# Altium PCB OpenMV4_BASE.pcbdoc (continued)
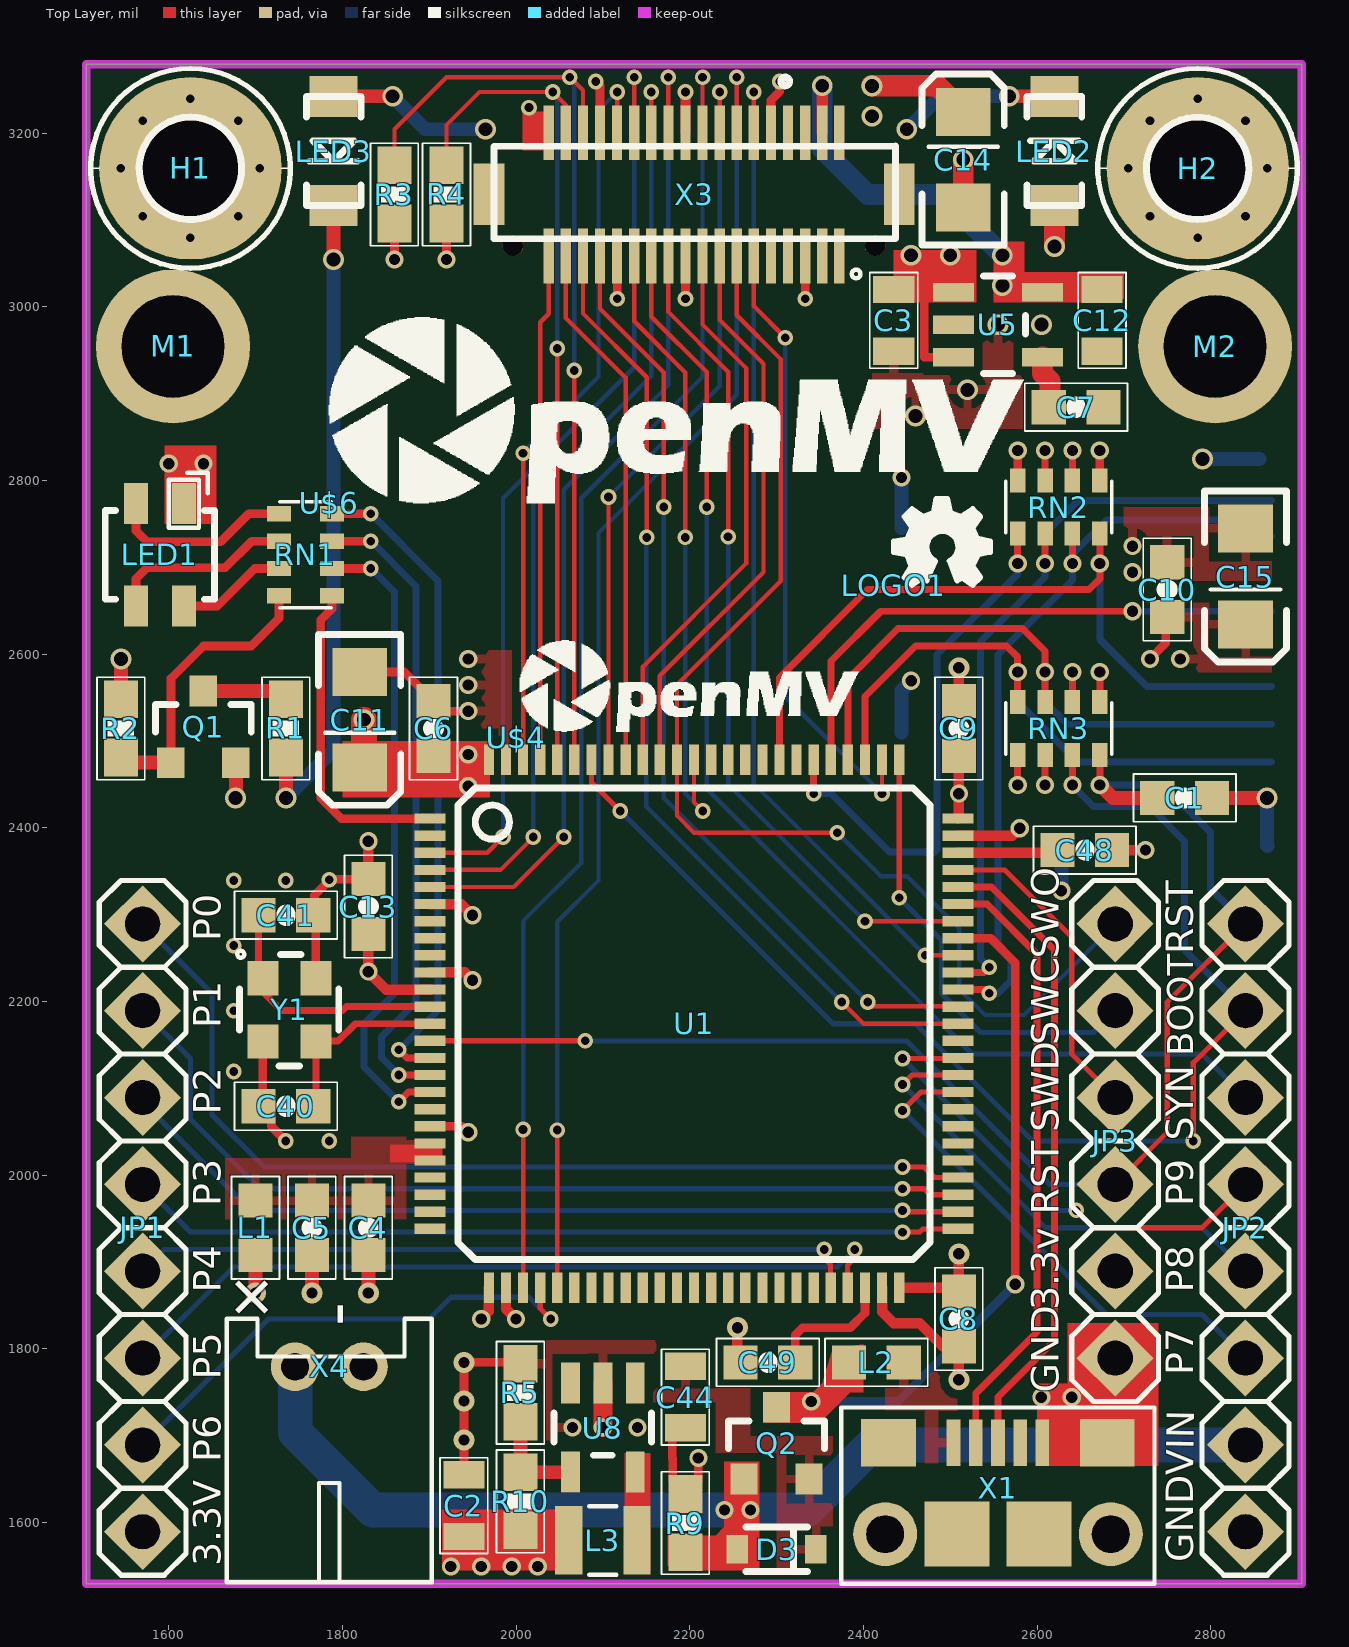
[diagram p0: Top Layer view]
## Footprints (in the part's own frame and the unit in brackets; to place one, negate y for a bottom-side part, rotate by r counter-clockwise, add the part's x,y. Pads: shape width x height; smd on the part's side, far side on the other; paste and mask are expansions set on the pad) (continued)
  rect 0.3x0.9 smd: 26(-6,-7.72) 27(-5.5,-7.72) 28(-5,-7.72) 29(-4.5,-7.72) 30(-4,-7.72) 31(-3.5,-7.72) 32(-3,-7.72) 33(-2.5,-7.72) 34(-2,-7.72) 35(-1.5,-7.72) 36(-1,-7.72) 37(-0.5,-7.72) 38(0,-7.72) 39(0.5,-7.72) 40(1,-7.72) 41(1.5,-7.72) 42(2,-7.72) 43(2.5,-7.72) 44(3,-7.72) 45(3.5,-7.72) 46(4,-7.72) 47(4.5,-7.72) 48(5,-7.72) 49(5.5,-7.72) 50(6,-7.72) 76(6,7.72) 77(5.5,7.72) 78(5,7.72) 79(4.5,7.72) 80(4,7.72) 81(3.5,7.72) 82(3,7.72) 83(2.5,7.72) 84(2,7.72) 85(1.5,7.72) 86(1,7.72) 87(0.5,7.72) 88(0,7.72) 89(-0.5,7.72) 90(-1,7.72) 91(-1.5,7.72) 92(-2,7.72) 93(-2.5,7.72) 94(-3,7.72) 95(-3.5,7.72) 96(-4,7.72) 97(-4.5,7.72) 98(-5,7.72) 99(-5.5,7.72) 100(-6,7.72)
  silkscreen extent -6.9,-6.9 6.9,6.9
MICROUSB-RIGHT [mm]
  rect 0.4x1.35 smd: 1(-1.3,1.27) 2(-0.65,1.27) 3(0,1.27) 4(0.65,1.27) 5(1.3,1.27)
  round 1.87 hole 1.1 slot 1.1 at 0 deg: S1(-3.3,-1.405) S2(3.3,-1.405)
  rect 1.6x1.4 smd: S3(-3.2,1.27) S4(3.2,1.27)
  rect 1.9x1.9 smd: S5(-1.2,-1.405) S6(1.2,-1.405)
  silkscreen extent -4.58,-2.85 4.58,2.3
OMV-LOGO [mil]
  silkscreen extent 6,8 494,138
OMV-LOGO-BIG [mil]
  silkscreen extent 0,0 800,214
OMV-LOGO-SMALL [mil]
  silkscreen extent 4,6 394,112
OSHW_FILLX100_NOTEXT [mil]
  silkscreen extent 0,0 111,100
ROHS [mil]
  silkscreen extent 0,-1 158,160
SOD-323 [mil]
  rect 24.81x32.68 smd: 1(-45.27,0)
  rect 24.8x32.68 smd: 2(45.28,0)
  silkscreen extent -35,-26 35,26
SOT23-3#1 [mil]
  rect 31.5x35.43 smd: 1(-37.4,-39.37) 2(37.4,-39.37) 3(0,43.31)
  silkscreen extent -55,-4 55,28
SOT23-3#2 [mil]
  rect 31.49x35.44 smd: 1(-37.4,-39.37)
  rect 31.5x35.44 smd: 2(37.4,-39.37)
  rect 31.5x35.43 smd: 3(0,43.31)
  silkscreen extent -55,-4 55,28
SOT23-5 [mil]
  rect 21.66x47.24 smd: 1(-37.4,-51.19) 5(-37.4,51.18)
  rect 21.65x47.24 smd: 2(0,-51.19) 3(37.4,-51.19) 4(37.4,51.18)
  silkscreen extent -56,-17 56,32
TSOT25 [mil]
  rect 21.66x47.25 smd: 1(-37.4,-51.18) 2(0,-51.18) 5(-37.4,51.19)
  rect 21.65x47.25 smd: 3(37.4,-51.18) 4(37.4,51.19)
  silkscreen extent -56,-17 56,32
WEEE [mil]
  silkscreen extent -1,-1 150,148

## Via types
v1: diameter 18, hole 10, Top Layer to Bottom Layer, 87 vias
v2: diameter 21, hole 13, Top Layer to Bottom Layer, 57 vias
v3: diameter 24, hole 16, Top Layer to Bottom Layer, 24 vias
v4: diameter 24, hole 13, Top Layer to Bottom Layer, 10 vias

## Nets (pads, with @x,y where several pads share a name; then routed paths per layer and width w, separated by ;. In a path a pad name is that pad's centre, name@x,y a point inside that pad or via, vN(x,y) a via of type N, cw(c..) or ccw(c..) an arc to the next point about the centre after c; other vN are vias at no path point)
BOOT0: JP2.2 RN3.3 U1.94 | length 1480
  Top Layer w6: U1.94 2086.89,2452.49 v1(2120,2419.38) ; v1(2780,2039.38) 2780,2129.38 JP2.2
  Top Layer w8: v2(2640.75,2449.38) RN3.3
  Bottom Layer w6: v1(2120,2419.38) 2365,2174.38 2460,2174.38 2595,2039.38 v1(2780,2039.38)
  Bottom Layer w8: v2(2640.75,2449.38) 2640.75,2448.62 2665,2424.38 2730,2424.38 2770,2384.38 2770,2259.38 JP2.2
DAC: JP1.7 U1.29 | length 591.9
  Top Layer w6: U1.29 2027.83,1846.54 v1(2040,1834.38)
  Bottom Layer w6: JP1.7 1715,1834.38 1900,1834.38 1925,1859.38 2015,1859.38 v1(2040,1834.38)
DCMI_CLK: U1.67 X3.12 | length 1160.8
  Top Layer w5: X3.12 v1(2273.9,3247.38) ; v1(2471.26,2253.11) U1.67
  Bottom Layer w5: v1(2273.9,3247.38) 2273.9,2450.47 v1(2471.26,2253.11)
DCMI_D0: U1.63 X3.31 | length 1127.2
  Top Layer w5: X3.31 2077.05,2992.32 2150.47,2918.89 v1(2150.47,2734.38) ; v1(2375,2199.38) 2400,2174.38 U1.63
  Bottom Layer w5: v1(2150.47,2734.38) 2150,2733.91 2150,2424.38 v1(2375,2199.38)
DCMI_D1: U1.64 X3.29 | length 1093
  Top Layer w5: X3.29 2096.73,2997.64 2170.16,2924.22 v1(2170.16,2769.38) ; v1(2405,2199.38) 2410,2194.38 U1.64@2508.62,2194.38
  Top Layer w6: U1.64@2508.62,2194.37 cw(c2508.62,2194.07) U1.64
  Bottom Layer w5: v1(2170.16,2769.38) 2170.16,2434.3 2405,2199.45 v1(2405,2199.38)
DCMI_D2: U1.97 X3.35 | length 584.3
  Top Layer w5: U1.97 2027.83,2982.2 2037.68,2992.05 X3.35
DCMI_D3: U1.98 X3.28 | length 861
  Top Layer w5: U1.98 v1(2008.15,2831.22) ; X3.28 v1(2116.42,3247.38)
  Bottom Layer w5: v1(2008.15,2831.22) 2008.15,2832.53 2095,2919.38 2095,3225.95 v1(2116.42,3247.38)
DCMI_D4: U1.3 X3.26 | length 1093.2
  Top Layer w5: U1.3 1966.85,2371.22 v1(1985,2389.38) ; X3.26 v1(2136.1,3264.38)
  Bottom Layer w5: v1(1985,2389.38) 1985,2779.38 2136.1,2930.47 v1(2136.1,3264.38)
DCMI_D5: U1.92 X3.33 | length 608.7
  Top Layer w5: X3.33 2057.36,2987.01 2126.26,2918.11 U1.92
DCMI_D6: U1.4 X3.24 | length 1096
  Top Layer w5: U1.4 1982.16,2351.53 v1(2020,2389.38) ; X3.24 v1(2155.79,3247.38)
  Bottom Layer w5: v1(2020,2389.38) 2020,2784.38 2155.79,2920.16 v1(2155.79,3247.38)
DCMI_D7: U1.5 X3.22 | length 1166.8
  Top Layer w5: U1.5 1997.48,2331.86 v1(2055,2389.38) ; X3.22 v1(2175.47,3264.38)
  Bottom Layer w5: v1(2055,2389.38) 2055,2789.38 2175.47,2909.84 v1(2175.47,3264.38)
DCMI_FSIN: JP2.3 X3.23 | length 1407.8
  Top Layer w5: X3.23 2155.79,2988.59 2219.53,2924.84 v1(2219.53,2769.38)
  Bottom Layer w5: v1(2219.53,2769.38) 2219.53,2444.84 2495,2169.38
  Bottom Layer w6: 2495,2169.38 2525,2139.38 2790,2139.38 JP2.3
DCMI_HSYNC: U1.28 X3.18 | length 1543.7
  Top Layer w5: U1.28 v1(2008.15,2052.53) ; X3.18 v1(2214.84,3264.38)
  Bottom Layer w5: v1(2008.15,2052.53) 2008.15,2292.53 2075,2359.38 2075,2779.38 2214.84,2919.22 v1(2214.84,3264.38)
DCMI_PCLK: U1.30 X3.14 | length 1543.7
  Top Layer w5: U1.30 v1(2047.52,2051.89) ; X3.14 v1(2254.21,3264.38)
  Bottom Layer w5: v1(2047.52,2051.89) 2047.52,2291.89 2095,2339.38 2095,2739.38 2254.21,2898.59 v1(2254.21,3264.38)
DCMI_PWDN: U1.88 X3.25 | length 734.9
  Top Layer w5: X3.25 2136.1,2983.26 2195,2924.38 v1(2195,2734.38) ; U1.88 2205,2429.38 v1(2215,2419.38)
  Bottom Layer w5: v1(2195,2734.38) 2195,2439.38 v1(2215,2419.38)
DCMI_RST: U1.69 X3.21 | length 966.8
  Top Layer w5: X3.21 2175.47,2993.89 2244.21,2925.16 v1(2244.21,2735.16) ; v1(2401.89,2292.49) U1.69
  Bottom Layer w5: v1(2244.21,2735.16) 2244.21,2450.16 v1(2401.89,2292.49)
DCMI_VSYNC: U1.93 X3.16 | length 869.2
  Top Layer w5: U1.93 v1(2106.57,2780.95) ; X3.16 v1(2234.53,3247.38)
  Bottom Layer w5: v1(2106.57,2780.95) 2234.53,2908.89 v1(2234.53,3247.38)
EXPST: U1.55
FREX: U1.56
FS_DM: U1.70 X1.2 | length 706.7
  Top Layer w8: U1.70 2542.2,2312.16 2600,2254.38 2600,1819.38 2529.41,1748.79 X1.2
FS_DP: U1.71 X1.3 | length 735.5
  Top Layer w8: U1.71 2547.52,2331.86 2620,2259.38 2620,1809.38 2555,1744.38 X1.3
GND: C1.2 C2.1 C3.1 C4.2 C5.2 C6.2 C7.2 C8.2 C9.2 C10.2 C11.C C12.1 C13.2 C14.C C15.C C40.1 C41.1 C44.1 C48.2 C49.2 JP2.8 JP3.6 Q1.2 R2.1 R5.1 R9.1 RN3.6 U1.10 U1.19 U1.26 U1.49 U1.74 U1.99 U5.2 U8.2 X1.5 X2.CD$2 X2.G$1 X2.G$2 X2.G$3 X2.G$4 X2.P$6 X3.5 X3.19 X3.27 X4.2 Y1.2 Y1.4 | length 2135.9
  Top Layer w8: RN3.6 v2(2640.75,2579.38)
  Top Layer w10: Y1.2 1708.5,2084.38 C40.1 1718.03,2064.85 1718.03,2056.35 v1(1735,2039.38) ; Y1.4 1769.53,2296.34 C41.1 1768.03,2300.9 1768.03,2322.4 1786.49,2340.86 C13.2 ; C11.C 1871.37,2579.49 C6.2 1916.49,2534.38 v2(1945,2534.38) ; U1.19 1938.11,2056.26 v2(1945,2049.38) ; C2.1 v4(1940,1784.38) 2003.46,1784.38 R5.1 ; v1(2116.42,3009.38) X3.27 ; C44.1 2190.74,1708.94 2180,1698.2 2180,1674.38 2180.32,1674.06 2180.32,1647.52 R9.1 2209.68,1647.52 2209.68,1674.06 v2(2210,1674.38) ; v1(2195.16,3009.38) X3.19 ; v1(2332.95,3009.38) X3.5
  Top Layer w12: C13.2 v2(1830,2384.38) ; U1.10 1940.94,2233.43 v2(1950,2224.38) ; v2(1960,1834.38) 1968.78,1843.15 U1.26 ; v4(2255,1824.38) 2255,1787.88 C49.2 ; U1.49 2421.53,1842.84 2435,1829.38 2465,1829.38 2491.49,1802.88 C8.2 v4(2510,1764.38) ; U1.74 2571.53,2390.91 v2(2580,2399.38) ; C9.2 v4(2510,2584.38) ; C48.2 v2(2725,2374.38)
  Top Layer w16: R2.1 v3(1545,2594.38) ; v3(1677,2434.38) 1677.4,2434.78 Q1.2 ; v4(1765,1864.38) C5.2 ; v4(1830,1864.38) C4.2 ; C1.2 v3(2865,2434.38)
  Top Layer w21.65: v2(2100,1709.38) U8.2
  Top Layer w24: C14.C v3(2515,3169.38)
  Bottom Layer w16: X2.G$4 2443.97,2558.34 v2(2455,2569.38) ; X2.G$3 v2(2443.97,2803.34) ; v2(2628.03,2327.41) X2.CD$2 ; v3(2790.35,2824.72) X2.G$2 ; v3(2865,2434.38) 2865,2379.3 X2.G$1
  other v1: 1785,2039.38 1675,2119.38 1675,2189.38 1675,2264.38 1675,2339.38 1735,2339.38 1785,2340
  other v2: 2065,1709.38 2140,1709.38 2605,1744.38 2640,1744.38 1945,2564.38 1945,2594.38 2710,2694.38 2710,2724.38
  other v3: 2460,2874.38 2520,2904.38 2555,2979.38 2605,2979.38
  other v4: 1940,1695 1940,1740
GPIO1: U1.84
GPIO2: U1.85
GPIO3: U1.82
I2C1_SCL: R3.2 U1.95 X3.32 | length 1127
  Top Layer w5: R3.2 1860,3204.38 1920,3264.38 v1(2062.05,3264.38) 2077.05,3249.38 X3.32 ; U1.95 v1(2067.2,2926.57)
  Bottom Layer w5: v1(2062.05,3264.38) 2067.2,3259.22 v1(2067.2,2926.57)
I2C1_SDA: R4.2 U1.96 X3.34 | length 1009.2
  Top Layer w5: R4.2 1920,3209.38 1958,3247.38 v1(2042.36,3247.38) 2057.36,3232.38 X3.34 ; U1.96 v1(2047.52,2951.89)
  Bottom Layer w5: v1(2042.36,3247.38) 2047.52,3242.22 v1(2047.52,2951.89)
I2C2_SCL: JP1.5 U1.46 | length 842.4
  Top Layer w6: v1(2355,1914.38) 2355,1904.38 2362.16,1897.2 2362.16,1870.76 U1.46
  Bottom Layer w6: JP1.5 1595,1914.38 v1(2355,1914.38)
I2C2_SDA: JP1.6 U1.47 | length 919.2
  Top Layer w6: U1.47 2381.85,1870.76 2381.85,1896.22 2390,1904.38 v1(2390,1914.38)
  Bottom Layer w6: JP1.6 1675,1894.38 2370,1894.38 v1(2390,1914.38)
LED_B: RN1.6 U1.17 | length 742.1
  Top Layer w8: v1(1865,2084.38) 1876.26,2095.64 U1.17
  Top Layer w10: RN1.6 v1(1832.76,2698.62)
  Bottom Layer w8: v1(1832.76,2698.62) 1860,2671.39 1860,2209.38 1825,2174.38 1825,2124.38 v1(1865,2084.38)
LED_G: RN1.7 U1.16 | length 742.1
  Top Layer w8: v1(1865,2115.32) U1.16
  Top Layer w10: RN1.7 v1(1832.76,2730.12)
  Bottom Layer w8: v1(1832.76,2730.12) 1885,2677.88 1885,2199.38 1845,2159.38 1845,2135.32 v1(1865,2115.32)
LED_IR: RN1.5 U1.1 | length 374
  Top Layer w10: RN1.5 1788.01,2652.39 1775,2639.38 1775,2434.38 1798.78,2410.59 U1.1
LED_R: RN1.8 U1.15 | length 752.6
  Top Layer w8: v1(1865,2144.38) 1874.37,2135.01 U1.15
  Top Layer w10: RN1.8 v1(1832.76,2761.61)
  Bottom Layer w8: v1(1832.76,2761.61) 1910,2684.38 1910,2189.38 v1(1865,2144.38)
N$1: 
  other v1: 1625,3239.38
N$2: C40.2 U1.13 Y1.3 | length 216.3
  Top Layer w8: C40.2 ccw(c1766.5,2082.41) 1769.53,2082.41 Y1.3 1769.96,2154.38 1795,2154.38 1815,2174.38 U1.13
N$3: 
  other v1: 1705,3159.38
N$4: C41.2 U1.12 Y1.1 | length 297.2
  Top Layer w8: C41.2 1703.5,2226.78 Y1.1 1708.5,2210.86 1730,2189.38 1800,2189.38 1805,2194.38 1900.75,2194.38 U1.12
N$5: Q1.1 R2.2 RN1.4 | length 335.9
  Top Layer w10: Q1.1 1602.6,2571.97 1640,2609.38 1695,2609.38 1726.99,2641.36 RN1.4
  Top Layer w16: R2.2 1550.91,2475.01 Q1.1
N$6: LED1.B RN1.3 | length 127.4
  Top Layer w10: LED1.B 1655.94,2655.32 1699.25,2698.62 RN1.3
N$7: L2.1 X1.1
N$8: LED1.R RN1.1 | length 214.6
  Top Layer w10: LED1.R 1562.44,2741.93 1575,2729.38 1660,2729.38 1692.24,2761.61 RN1.1
N$9: LED1.G RN1.2 | length 214
  Top Layer w10: LED1.G 1562.44,2686.82 1575,2699.38 1665,2699.38 1695.75,2730.12 RN1.2
N$10: LED3.C R1.2 | length 751.3
  Top Layer w16: v3(1735,2434.38) R1.2 ; v3(1790,3054.38) LED3.C
  Bottom Layer w16: v3(1735,2434.38) 1790,2489.38 1790,2784.38 v3(1790,3054.38)
N$11: C7.1 U5.4 | length 61.9
  Top Layer w24: U5.4 2606.18,2923.18 2615,2914.38 2615,2885.86 C7.1
N$12: C4.1 C5.1 L1.1 U1.20 U1.21
N$13: R5.2 R10.1 U8.4 | length 115.8
  Top Layer w16: R5.2 R10.1 2062.25,1657.84 U8.4
N$14: Q1.3 R1.1 | length 99.1
  Top Layer w16: Q1.3 1725.16,2557.68 R1.1
N$15: 
  other v1: 1545,3159.38
N$16: 
  other v1: 1625,3079.38
N$17: LED2.C LED3.A | length 878
  Top Layer w16: LED3.A v3(1857.99,3242.36) ; v3(2567.99,3242.36) LED2.C
  Mid-Layer 2 w16: v3(1965,3204.38) 1985,3184.38 2430,3184.38 v3(2450,3204.38)
  Bottom Layer w16: v3(1857.99,3242.36) 1895.98,3204.38 v3(1965,3204.38) ; v3(2450,3204.38) 2487.99,3242.36 v3(2567.99,3242.36)
N$18: 
  other v1: 1680,3214.38
N$19: 
  other v1: 1570,3214.38
N$20: 
  other v1: 1570,3104.38
N$21: 
  other v1: 1680,3104.38
N$22: 
  other v1: 2785,3239.38
N$23: 
  other v1: 2705,3159.38
N$24: 
  other v1: 2865,3159.38
N$25: 
  other v1: 2785,3079.38
N$26: 
  other v1: 2730,3214.38
N$27: 
  other v1: 2730,3104.38
N$28: 
  other v1: 2840,3214.38
N$29: 
  other v1: 2840,3104.38
NRST: C1.1 JP2.1 JP3.4 RN3.4 U1.14 | length 1598.6
  Top Layer w6: U1.14 v1(2079.68,2154.68) ; JP3.4 2750,2049.38 2750,2199.38 JP2.1
  Top Layer w8: v2(2672.24,2449.38) RN3.4
  Top Layer w16: v2(2672.24,2449.38) 2687.24,2434.38 C1.1
  Bottom Layer w6: v1(2079.68,2154.68) 2080,2154.38 2450,2154.38 2615,1989.38 JP3.4
  Bottom Layer w8: v2(2672.24,2449.38) 2745,2449.38 2800,2394.38 2800,2329.38 JP2.1
RAW: C44.2 D3.1 Q2.2 U8.1 U8.3
RSVD1: X3.1
RSVD2: X3.3
RSVD3: X3.7
RSVD4: X3.9
RSVD5: X3.6
RSVD6: X3.8
SD_CD: RN2.5 U1.81 X2.CD$1 | length 612.6
  Top Layer w8: v1(2342.79,2439.38) U1.81 ; v2(2577.75,2704.38) RN2.5
  Bottom Layer w8: v1(2342.79,2439.38) 2362.79,2439.38 2430,2372.16 X2.CD$1 2485,2374.8 2485,2599.38 2577.75,2692.12 v2(2577.75,2704.38)
SDIO_CLK: U1.80 X2.P$5 | length 645.1
  Top Layer w8: U1.80 2362.48,2591.86 2420,2649.38 v2(2710,2649.38)
  Bottom Layer w8: v2(2710,2649.38) 2869.92,2649.38 X2.P$5
SDIO_CMD: RN2.8 U1.83 X2.P$3 | length 870.5
  Top Layer w8: U1.83 2303.42,2572.8 2405,2674.38 2660,2674.38 2672.24,2686.61 v2(2672.24,2704.38) RN2.8
  Bottom Layer w8: v2(2672.24,2704.38) 2672.24,2617.12 2726.85,2562.53 X2.P$3
SDIO_D0: RN2.7 U1.65 X2.P$7 | length 889.4
  Top Layer w8: U1.65 2540.63,2213.74 v1(2545,2209.38) ; v2(2640.75,2704.38) RN2.7
  Bottom Layer w8: v1(2545,2209.38) 2555,2209.38 2570,2224.38 2570,2249.38 2555,2264.38 2555,2599.38 2640.75,2685.12 v2(2640.75,2704.38) 2640.75,2715.12 2680,2754.38 2830,2754.38 2848.62,2735.76 X2.P$7
SDIO_D1: RN2.6 U1.66 X2.P$8 | length 884.1
  Top Layer w8: U1.66 2539.05,2233.43 v1(2545,2239.38) ; v2(2609.25,2704.38) RN2.6
  Bottom Layer w8: v1(2545,2239.38) 2535,2249.38 2535,2614.38 2609.25,2688.62 v2(2609.25,2704.38) 2609.25,2738.86 2647.48,2777.09 X2.P$8
SDIO_D2: RN3.8 U1.78 X2.P$1 | length 685.4
  Top Layer w8: U1.78 2401.85,2551.22 2460,2609.38 2565,2609.38 2577.75,2596.61 v2(2577.75,2579.38) RN3.8
  Bottom Layer w8: v2(2577.75,2579.38) 2577.75,2544.89 2646.73,2475.91 X2.P$1
SDIO_D3: RN3.7 U1.79 X2.P$2 | length 719.7
  Top Layer w8: U1.79 2382.16,2571.53 2440,2629.38 2583.5,2629.38 2609.25,2603.62 v2(2609.25,2579.38) RN3.7
  Bottom Layer w8: v2(2609.25,2579.38) 2609.25,2544.89 2634.92,2519.22 X2.P$2
SPI2_MISO: JP1.2 U1.53 | length 1067.7
  Top Layer w6: v1(2445,1984.38) 2470,1984.38 2476.85,1977.53 U1.53
  Bottom Layer w6: JP1.2 1625,2134.38 1625,2064.38 1705,1984.38 v1(2445,1984.38)
SPI2_MOSI: JP1.1 U1.54 | length 1142
  Top Layer w6: v1(2445,2009.38) 2470,2009.38 2482.16,1997.2 U1.54
  Bottom Layer w6: JP1.1 1650,2209.38 1650,2069.38 1710,2009.38 v1(2445,2009.38)
SPI2_NSS: JP1.4 U1.51 | length 963.3
  Top Layer w6: v1(2445,1934.38) 2465,1934.38 2468.78,1938.15 U1.51
  Bottom Layer w6: JP1.4 1617.5,1941.88 1625,1934.38 v1(2445,1934.38)
SPI2_SCLK: JP1.3 U1.52 | length 996.3
  Top Layer w6: v1(2445,1959.38) 2446.53,1957.84 U1.52
  Bottom Layer w6: JP1.3 1570,2084.38 1695,1959.38 v1(2445,1959.38)
SPI3_MISO: U1.90 X3.15 | length 650.5
  Top Layer w5: U1.90 2165.63,2575.01 2285,2694.38 2285,2934.38 2234.53,2984.84 X3.15
SPI3_MOSI: U1.91 X3.17 | length 650.3
  Top Layer w5: U1.91 2145.94,2585.32 2265,2704.38 2265,2929.38 2214.84,2979.53 X3.17
SPI3_SCLK/TRACESWO: JP3.1 U1.89 X3.13 | length 1399.4
  Top Layer w5: X3.13 2254.21,2990.16 2305,2939.38 2305,2684.38 2185.31,2564.68 2185.31,2524.38 U1.89 2185.31,2414.05 2205,2394.38 v1(2370,2394.38)
  Bottom Layer w5: v1(2370,2394.38) 2420,2344.38 2450,2344.38 2510.5,2283.88 2510.5,2213.88 2540,2184.38 2585,2184.38 JP3.1
SPI3_SSEL: U1.77 X3.11 | length 719.2
  Top Layer w5: X3.11 2273.9,3000.47 v1(2310,2964.38) ; v1(2421.53,2439.38) U1.77
  Bottom Layer w5: v1(2310,2964.38) 2310,2550.91 v1(2421.53,2439.38)
SW: L3.1 U8.5
SWCLK: JP3.2 U1.76 | length 518.1
  Top Layer w6: v1(2441.22,2319.38) U1.76
  Bottom Layer w6: v1(2441.22,2319.38) 2490,2270.59 2490,2209.38 2535,2164.38 2665,2164.38 JP3.2
SWDIO: JP3.3 U1.72 | length 368.7
  Top Layer w6: U1.72 2562.83,2351.53 2640,2274.38 2640,2139.38 JP3.3
TIM4_CH1: JP2.6 U1.59 | length 585.8
  Top Layer w6: v1(2445,2074.38) 2466.26,2095.64 U1.59
  Bottom Layer w6: v1(2445,2074.38) 2680,1839.38 2790,1839.38 JP2.6
TIM4_CH2: JP2.5 U1.60 | length 552.5
  Top Layer w6: v1(2445,2104.38) 2455.94,2115.32 U1.60
  Bottom Layer w6: v1(2445,2104.38) 2610,1939.38 2790,1939.38 JP2.5
TIM4_CH3: JP2.4 U1.61 | length 560.7
  Top Layer w6: v1(2445,2134.38) 2450,2134.38 2508.31,2134.38 U1.61 ; v1(2645,1959.38) 2665,1939.38 2790,1939.38 JP2.4
  Bottom Layer w6: v1(2445,2134.38) 2620,1959.38 v1(2645,1959.38)
UART2_RX: U1.87
UART2_TX: U1.86
VBUS: L2.2 Q2.3 U1.68 | length 843.7
  Top Layer w10: Q2.3 2331.81,1732.68 L2.2 ; U1.68 2546.57,2272.8 2575,2244.38 v2(2575,1874.38)
  Bottom Layer w10: v2(2340,1739.38) 2440,1739.38 v2(2575,1874.38)
VCAP1: C49.1 U1.48 | length 151.6
  Top Layer w10: C49.1 2321.49,1815.88 2330,1824.38 2385,1824.38 2401.85,1841.22 U1.48
VCAP2: C48.1 U1.73 | length 115.9
  Top Layer w12: U1.73 2620.35,2371.22 C48.1
VCC: C2.2 C3.2 C6.1 C8.1 C9.1 C10.1 C11.A C13.1 C14.A C15.A JP1.8 JP3.5 L1.2 L3.2 LED1.A LED2.A R3.1 R4.1 R10.2 RN2.1 RN2.2 RN2.3 RN2.4 RN3.1 RN3.2 RN3.5 U1.6 U1.11 U1.27 U1.50 U1.75 U1.100 U5.1 U5.3 X2.P$4 X3.2 X3.10 X3.20 X3.30 X3.36 | length 1365.4
  Top Layer w8: v2(2577.75,2449.38) RN3.1 ; v2(2609.25,2449.38) RN3.2 ; RN2.3 v2(2609.25,2834.38) ; RN2.2 v2(2640.75,2834.38) ; RN3.5 v2(2672.24,2579.38)
  Top Layer w10: v2(1860,3054.38) R3.1 ; v2(1920,3054.38) R4.1 ; v1(2091.73,3259.38) 2096.73,3254.38 X3.30 ; X3.10 2293.58,3237.95 2303.58,3247.95 v1(2303.58,3259.38) ; U5.3 2470,2941.97 2470,3016.78 U5.1 ; RN2.4 v2(2577.75,2834.38) ; RN2.1 v2(2672.24,2834.38) ; v2(2730,2594.38) 2748.03,2612.41 2748.03,2640.91 C10.1
  Top Layer w12: C13.1 v2(1830,2234.38) 1850.63,2213.74 U1.11 ; U1.6 1937.2,2312.16 v2(1950,2299.38) ; U1.27 1988.46,1845.9 v2(2000,1834.38) ; X3.20 v1(2195.16,3247.38) ; U1.50 2505.43,1870.43 C8.1 v4(2510,1909.38) ; U1.75 2510,2411.66 v2(2510,2439.38) C9.1
  Top Layer w16: v4(1700,1864.38) L1.2
  Top Layer w24: v3(2620,3069.38) LED2.A
  Top Layer w25: v3(2410,3254.38) 2485.11,3254.38 C14.A
  Top Layer w30: C11.A 1825,2474.26 v3(1825,2524.38)
  other v1: 2015,3229.38
  other v2: 1925,1549.38 1960,1549.38 1995,1549.38 2025,1549.38 1945,2447.88 1945,2484.38 2765,2594.38 1600,2819.38 1640,2819.38
  other v3: 2455,3059.38 2500,3059.38 2410,3219.38
VDDA: C12.2 U5.5 X3.4 | length 385.1
  Top Layer w13: X3.4 v3(2352.64,3254.51)
  Bottom Layer w24: v3(2352.64,3254.51) 2352.64,3181.74 2405,3129.38 2490,3129.38 v3(2560,3059.38)
  other v3: 2560,3024.38
VIN: D3.2 JP2.7 Q2.1 R9.2 X4.1 | length 1238.1
  Bottom Layer w40: X4.1 1745.63,1703.74 1835,1614.38 v2(2240,1614.38) 2335,1614.38 2410,1689.38 JP2.7
  other v2: 2270,1614.38
pads on no net: H1.B2,8 H2.B2,8 M1.P$1 M2.P$1 U1.2 U1.7 U1.8 U1.9 U1.18 U1.22 U1.23 U1.24 U1.25 U1.31 U1.32 U1.33 U1.34 U1.35 U1.36 U1.37 U1.38 U1.39 U1.40 U1.41 U1.42 U1.43 U1.44 U1.45 U1.57 U1.58 U1.62 X1.4 X1.S1 X1.S2 X1.S3 X1.S4 X1.S5 X1.S6 X3. X3.F1 X3.F2

## Polygon pours and split planes (outlines as drawn)
VDDA on Bottom Layer "Bottom Layer-VDDA" (solid, pour order 4): 2592.5,3074.38 2545,3074.38 2545,3007.38 2592.5,3007.38
VCC on Bottom Layer "Bottom Layer-VCC" (solid, pour order 2): 2700,2579.38 2870,2579.38 2870,2644.38 2700,2644.38
GND on Bottom Layer "Bottom Layer-GND" (solid, pour order 0): 2700,2679.38 2870,2679.38 2870,2739.38 2700,2739.38
GND on GND "Top Layer-No Net" (solid, remove dead copper, pour order 50): 2905,3279.38 1505,3279.38 1505,1529.38 2905,1529.38
GND on GND "Mid-Layer 1-GND" (solid, pour order 6): 1505,1529.38 1505,3279.38 2905,3279.38 2905,1529.38
VCC on Mid-Layer 2 "Top Layer-No Net" (solid, remove dead copper, pour order 52): 2905,3279.38 1505,3279.38 1505,1529.38 2905,1529.38
VCC on Mid-Layer 2 "Mid-Layer 2-VCC" (solid, pour order 8): 1520,1544.38 1520,3264.38 2890,3264.38 2890,1544.38
GND on Top Layer "Top Layer-No Net" (solid, remove dead copper, pour order 54): 1960,1640 1960,1695 2220,1695 2225,1700 2225,1810 1920,1810 1920,1640
N$7 on Top Layer "Top Layer-N$7" (solid, pour order 44): 2475,1804.38 2425,1804.38 2425,1668.38 2480,1668.38 2508,1668.38 2508,1804.38
RAW on Top Layer "Top Layer-RAW" (solid, pour order 40): 2365,1699.38 2365,1539.38 2300,1539.38 2300,1680.38 2230,1680.38 2230,1738.38 2054,1738.38 2054,1804.38 2270,1804.38 2270,1699.38
N$12 on Top Layer "Top Layer-N$12" (solid, pour order 38): 1665,2019.38 1810,2019.38 1810,2044.38 1920,2044.38 1920,1949.38 1665,1949.38
VCC on Top Layer "Top Layer-VCC 6" (solid, pour order 24): 2700,2579.38 2870,2579.38 2870,2659.38 2700,2659.38
GND on Top Layer "Top Layer-GND" (solid, pour order 20): 2410,2989.38 2700,2989.38 2700,2859.38 2410,2859.38
GND on Top Layer "Top Layer-GND 4" (solid, pour order 12): 1790,2604.38 1995,2604.38 1995,2464.38 1980,2464.38 1980,2514.38 1885,2514.38 1885,2554.38 1790,2554.38
GND on Top Layer "Top Layer-GND 5" (solid, pour order 10): 2700,2684.38 2870,2684.38 2870,2769.38 2700,2769.38

## Keep-outs
Keep-Out Layer:
  the board outline again, w10

## Other copper
Top Layer:
  rectangle net VCC: 2007.32,3180 2040,3225
  rectangle net VCC: 1915,1545 2075,1615
  rectangle net SW: 2125,1545 2155,1680
  rectangle net GND: 2635,1755 2740,1830
  rectangle net GND: 2600,1665 2740,1760
  rectangle net VCC: 1800,2435 1970,2500
  rectangle net VCC: 1595,2750 1655,2840
  region net N$12: 1915,2015 1915,2035 1855,2035 1855,2015
  region net VDDA: 2550,3075 2550,3005 2695,3005 2700,3010 2700,3040 2585,3040 2585,3075
  region net VCC: 2435,3005 2530,3005 2530,3065 2435,3065
  region net VIN: 2280,1670 2280,1545 2180,1545 2175,1550 2175,1585 2230,1585 2240,1595 2240,1670
  region net VBUS: 2400,1805 2400,1750 2385,1750 2350,1715 2285,1715 2285,1750 2350,1750 2365,1800

## Silkscreen, mask and mechanical layers (free items; w line width, h text height)
Top Overlay:
  lines w5: 1600,2745.38 1600,2800.88 1635,2800.88 1635,2745.38 1600,2745.38
  lines w8: 2314.99,3259.14 cw(c2310,3259.48) 2315,3259.37
  text "P0" at 1660,2269.38 h32 r90
  text "RST" at 2780,2254.38 h32 r90
  text "SWO" at 2625,2249.38 h32 r90
  text "P1" at 1660,2169.38 h32 r90
  text "SWC" at 2625,2149.38 h32 r90
  text "BOOT" at 2780,2136.88 h30 r90
  text "P2" at 1660,2069.38 h32 r90
  text "SWD" at 2625,2049.38 h32 r90
  text "SYN" at 2780,2039.38 h32 r90
  text "P3" at 1660,1964.38 h32 r90
  text "P9" at 2780,1964.38 h32 r90
  text "RST" at 2625,1954.38 h32 r90
  text "P4" at 1660,1864.38 h32 r90
  text "P8" at 2780,1864.38 h32 r90
  text "3.3v" at 2625,1844.38 h32 r90
  text "P7" at 2780,1769.38 h32 r90
  text "P5" at 1660,1764.38 h32 r90
  text "GND" at 2625,1749.38 h32 r90
  text "P6" at 1660,1669.38 h32 r90
  text "VIN" at 2780,1654.1 h32 r89
  text "GND" at 2780,1554.38 h32 r90
  text "3.3V" at 1660,1549.38 h32 r90
Bottom Overlay:
  lines w10: 1625,2584.38 1825,2584.38 1825,2634.38 ; 1625,2834.38 1825,2834.38 1825,2784.38 ; 2015,1909.38 2395,1909.38 ; 2015,2379.38 2295,2379.38 ; 2345,2379.38 2395,2379.38
  text "https://openmv.io" at 2405,3009.38 h32
  text "OpenMV-H7 R1" at 2405,2964.38 h32
  text "10/27/18" at 2405,2909.38 h32
  text "LED1=Red" at 1800,2774.38 h32
  text "LED2=Green" at 1795,2719.38 h32
  text "LED3=Blue" at 1795,2669.38 h32
  text "LED4=IR" at 1795,2614.38 h32
  text "Made in USA" at 2870,2454.38 h28 r270
  text "Built by MacroFab" at 2835,2444.38 h28 r270
  text "Pin List" at 2395,2399.38 h32
  text "P0=PB15/MOSI" at 2394.72,2329.38 h32 r359
  text "P1=PB14/MISO" at 2394.72,2284.38 h32 r359
  text "P0" at 1630,2269.38 h32 r270
  text "RST" at 2750,2254.38 h32 r270
  text "SWO" at 2590,2249.38 h32 r270
  text "P2=PB13/SCLK" at 2394.72,2239.38 h32 r359
  text "P3=PB12/SS" at 2394.72,2194.38 h32 r359
  text "P1" at 1630,2169.38 h32 r270
  text "P4=PB10/TXD/SCL" at 2395,2149.38 h32
  text "SWC" at 2590,2149.38 h32 r270
  text "BOOT" at 2750,2136.88 h30 r270
  text "P5=PB11/RXD/SDA" at 2395,2104.38 h32
  text "P2" at 1630,2069.38 h32 r270
  text "P6=PA5/ADC/DAC" at 2395,2059.38 h32
  text "SWD" at 2585,2049.38 h32 r270
  text "SYN" at 2750,2039.38 h32 r270
  text "P7=PD12/SERVO1" at 2394.72,2014.38 h32 r359
  text "P8=PD13/SERVO2" at 2394.72,1969.38 h32 r359
  text "P3" at 1630,1964.38 h32 r270
  text "P9" at 2750,1964.38 h32 r270
  text "RST" at 2585,1954.38 h32 r270
  text "P9=PD14/SERVO3" at 2394.72,1924.38 h32 r359
  text "P4" at 1630,1864.38 h32 r270
  text "P8" at 2750,1864.38 h32 r270
  text "3.3v" at 2585,1844.38 h32 r270
  text "Max voltage: 5v" at 2395,1831.27 h32
  text "P7" at 2750,1769.38 h32 r270
  text "P5" at 1630,1764.38 h32 r270
  text "GND" at 2585,1749.38 h32 r270
  text "P6" at 1630,1669.38 h32 r270
  text "VIN" at 2750,1654.1 h32 r271
  text "GND" at 2750,1554.38 h32 r270
  text "3.3V" at 1630,1549.38 h32 r270
Document:
  lines w5: 1505,2954.37 cw(c1617.5,2956.87) 1615,3069.37 ; 1505,2954.38 ccw(c1617.5,2951.88) 1615,2839.38 1880,2839.38 1880,2629.38 2530,2629.38 2530,2839.38 2795,2839.38 ccw(c2792.5,2951.88) 2905,2954.38 ; 1615,3069.38 1880,3069.38 1880,3279.38 2530,3279.38 2530,3069.38 2795,3069.38 ; 2795,3069.37 cw(c2792.5,2956.87) 2905,2954.37

## Text inside footprints (layer, text, board x,y; h text height)
X4: Top Overlay "-" at 1818.86,1826.03 h56 r90; Top Overlay "+" at 1735.27,1853.69 h56 r135